# Altium PCB TwoFoot_PCB_m4T1Top2.PcbDoc (part 3 of 9) (continued)
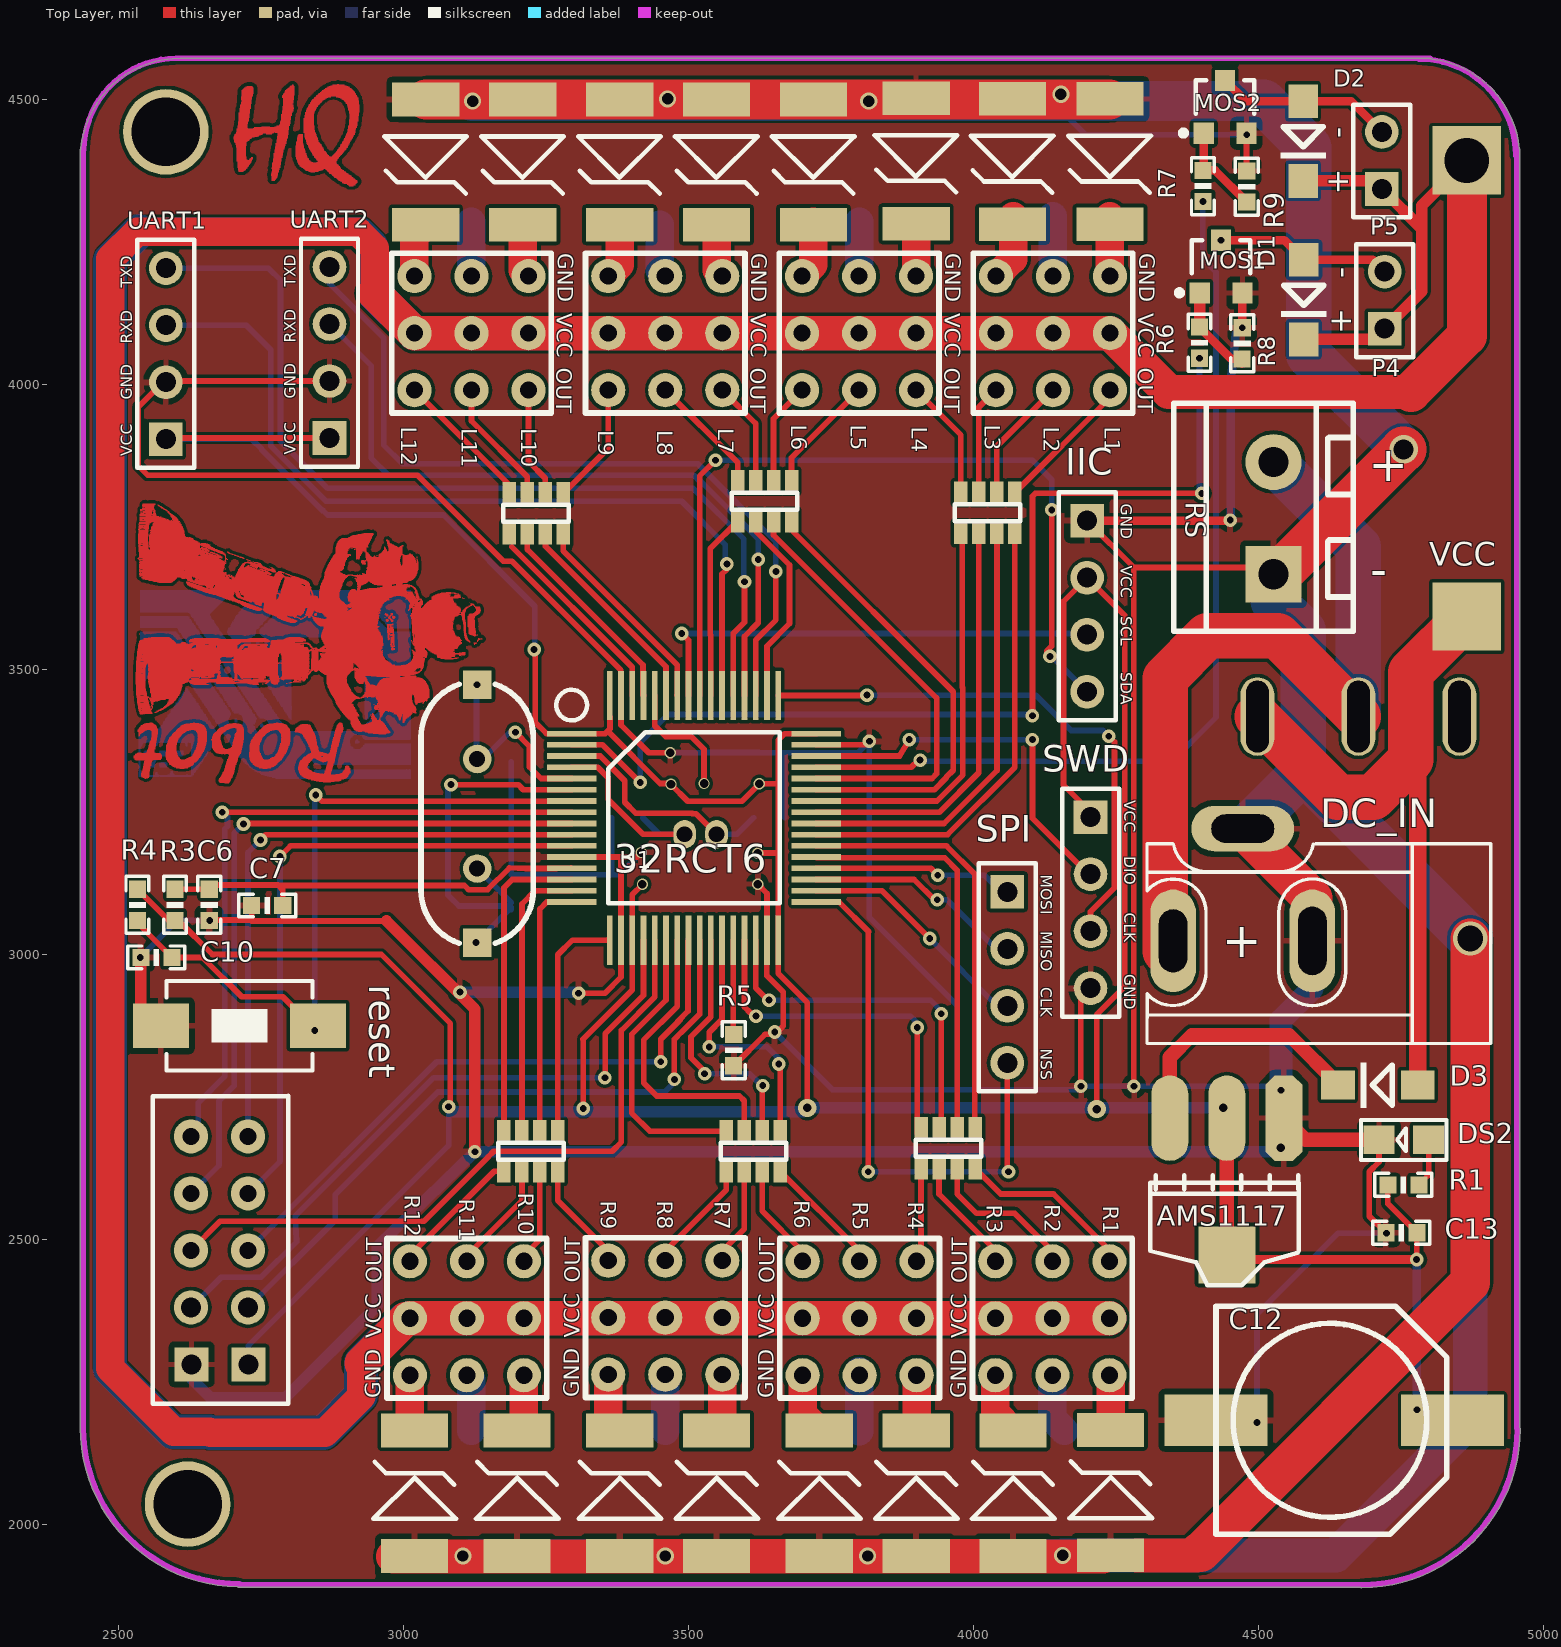
[diagram p0: Top Layer view]
## Nets (pads, with @x,y where several pads share a name; then routed paths per layer and width w, separated by ;. In a path a pad name is that pad's centre, name@x,y a point inside that pad or via, vN(x,y) a via of type N, cw(c..) or ccw(c..) an arc to the next point about the centre after c; other vN are vias at no path point) (continued)
; 2679,3515.6 2679,3516.2 ; 2679,3519.8 2679,3527 ; 2679,3527.6 2679,3554 ; 2679,3628.4 2679,3630.2 ; 2679,3630.8 2679,3693.8 ; 2679,3695.6 2679,3699.8 ; 2679,3704.6 2679,3708.2 ; 2679.6,3475.4 2679.6,3485 ; 2679.6,3486.2 2679.6,3487.4 ; 2679.6,3492.8 2679.6,3493.4 ; 2679.6,3494.6 2679.6,3495.2 ; 2679.6,3506.6 2679.6,3507.8 ; 2679.6,3512 2679.6,3513.2 ; 2679.6,3515.6 2679.6,3516.2 ; 2679.6,3516.8 2679.6,3517.4 ; 2679.6,3522.2 2679.6,3523.4 ; 2679.6,3524 2679.6,3553.4 ; 2679.6,3627.8 2679.6,3693.8 ; 2679.6,3695.6 2679.6,3699.2 ; 2679.6,3704 2679.6,3707.6 ; 2680.2,3475.4 2680.2,3483.8 ; 2680.2,3485 2680.2,3486.8 ; 2680.2,3488 2680.2,3488.6 ; 2680.2,3493.4 2680.2,3494 ; 2680.2,3497.6 2680.2,3498.2 ; 2680.2,3510.2 2680.2,3510.8 ; 2680.2,3512 2680.2,3513.2 ; 2680.2,3514.4 2680.2,3515 ; 2680.2,3515.6 2680.2,3516.2 ; 2680.2,3520.4 2680.2,3527 ; 2680.2,3527.6 2680.2,3553.4 ; 2680.2,3627.8 2680.2,3693.2 ; 2680.2,3695.6 2680.2,3699.2 ; 2680.2,3704 2680.2,3707.6 ; 2680.8,3475.4 2680.8,3483.2 ; 2680.8,3483.8 2680.8,3485 ; 2680.8,3485.6 2680.8,3486.8 ; 2680.8,3512 2680.8,3513.2 ; 2680.8,3520.4 2680.8,3553.4 ; 2680.8,3627.8 2680.8,3692.6 ; 2680.8,3695 2680.8,3698.6 ; 2680.8,3704 2680.8,3707.6 ; 2681.4,3475.4 2681.4,3483.2 ; 2681.4,3483.8 2681.4,3485 ; 2681.4,3485.6 2681.4,3486.8 ; 2681.4,3512 2681.4,3513.2 ; 2681.4,3520.4 2681.4,3553.4 ; 2681.4,3627.2 2681.4,3663.2 ; 2681.4,3663.8 2681.4,3692 ; 2681.4,3695 2681.4,3698 ; 2681.4,3703.4 2681.4,3707.6 ; 2682,3475.4 2682,3483.2 ; 2682,3483.8 2682,3485 ; 2682,3485.6 2682,3486.8 ; 2682,3512 2682,3513.2 ; 2682,3522.2 2682,3553.4 ; 2682,3627.2 2682,3663.8 ; 2682,3665.6 2682,3692 ; 2682,3695 2682,3698 ; 2682,3703.4 2682,3707 ; 2682.6,3475.4 2682.6,3485 ; 2682.6,3485.6 2682.6,3486.8 ; 2682.6,3512 2682.6,3513.2 ; 2682.6,3522.2 2682.6,3553.4 ; 2682.6,3626.6 2682.6,3665 ; 2682.6,3666.8 2682.6,3691.4 ; 2682.6,3695 2682.6,3698 ; 2682.6,3702.8 2682.6,3707 ; 2683.2,3475.4 2683.2,3485 ; 2683.2,3485.6 2683.2,3486.8 ; 2683.2,3512 2683.2,3513.2 ; 2683.2,3522.2 2683.2,3553.4 ; 2683.2,3626.6 2683.2,3662 ; 2683.2,3664.4 2683.2,3665 ; 2683.2,3666.2 2683.2,3666.8 ; 2683.2,3667.4 2683.2,3691.4 ; 2683.2,3696.2 2683.2,3698 ; 2683.2,3702.8 2683.2,3706.4 ; 2683.8,3475.4 2683.8,3483.2 ; 2683.8,3483.8 2683.8,3485 ; 2683.8,3485.6 2683.8,3486.8 ; 2683.8,3512 2683.8,3513.2 ; 2683.8,3522.2 2683.8,3553.4 ; 2683.8,3626.6 2683.8,3663.8 ; 2683.8,3665 2683.8,3665.6 ; 2683.8,3666.8 2683.8,3668.6 ; 2683.8,3670.4 2683.8,3690.8 ; 2683.8,3702.8 2683.8,3706.4 ; 2684.4,3475.4 2684.4,3483.2 ; 2684.4,3483.8 2684.4,3485 ; 2684.4,3485.6 2684.4,3486.8 ; 2684.4,3512 2684.4,3513.2 ; 2684.4,3522.2 2684.4,3553.4 ; 2684.4,3626 2684.4,3661.4 ; 2684.4,3662.6 2684.4,3664.4 ; 2684.4,3666.2 2684.4,3668.6 ; 2684.4,3669.2 2684.4,3671 ; 2684.4,3672.2 2684.4,3690.8 ; 2684.4,3702.2 2684.4,3705.8 ; 2685,3475.4 2685,3483.2 ; 2685,3483.8 2685,3485 ; 2685,3485.6 2685,3486.8 ; 2685,3512 2685,3513.2 ; 2685,3522.2 2685,3553.4 ; 2685,3626 2685,3662.6 ; 2685,3664.4 2685,3666.2 ; 2685,3666.8 2685,3668.6 ; 2685,3669.2 2685,3669.8 ; 2685,3674 2685,3690.2 ; 2685,3702.2 2685,3705.2 ; 2685.6,3475.4 2685.6,3485 ; 2685.6,3485.6 2685.6,3486.2 ; 2685.6,3512 2685.6,3513.2 ; 2685.6,3522.8 2685.6,3553.4 ; 2685.6,3626 2685.6,3661.4 ; 2685.6,3662 2685.6,3663.2 ; 2685.6,3663.8 2685.6,3664.4 ; 2685.6,3667.4 2685.6,3668 ; 2685.6,3669.2 2685.6,3669.8 ; 2685.6,3676.4 2685.6,3689.6 ; 2685.6,3702.2 2685.6,3705.2 ; 2686.2,3475.4 2686.2,3485 ; 2686.2,3485.6 2686.2,3486.2 ; 2686.2,3512 2686.2,3513.2 ; 2686.2,3522.8 2686.2,3553.4 ; 2686.2,3625.4 2686.2,3661.4 ; 2686.2,3662 2686.2,3663.2 ; 2686.2,3663.8 2686.2,3665 ; 2686.2,3666.2 2686.2,3668 ; 2686.2,3668.6 2686.2,3669.2 ; 2686.2,3678.2 2686.2,3689 ; 2686.2,3701.6 2686.2,3704.6 ; 2686.8,3475.4 2686.8,3485 ; 2686.8,3485.6 2686.8,3486.2 ; 2686.8,3512 2686.8,3513.2 ; 2686.8,3522.8 2686.8,3553.4 ; 2686.8,3625.4 2686.8,3661.4 ; 2686.8,3662 2686.8,3663.2 ; 2686.8,3663.8 2686.8,3665 ; 2686.8,3666.2 2686.8,3668 ; 2686.8,3668.6 2686.8,3669.2 ; 2686.8,3669.8 2686.8,3670.4 ; 2686.8,3675.8 2686.8,3676.4 ; 2686.8,3680.6 2686.8,3688.4 ; 2686.8,3701.6 2686.8,3704 ; 2687.4,3475.4 2687.4,3485 ; 2687.4,3485.6 2687.4,3486.2 ; 2687.4,3512 2687.4,3513.2 ; 2687.4,3522.8 2687.4,3553.4 ; 2687.4,3626 2687.4,3661.4 ; 2687.4,3662 2687.4,3662.6 ; 2687.4,3663.8 2687.4,3664.4 ; 2687.4,3665.6 2687.4,3667.4 ; 2687.4,3668.6 2687.4,3669.2 ; 2687.4,3678.2 2687.4,3678.8 ; 2687.4,3683 2687.4,3688.4 ; 2687.4,3701 2687.4,3703.4 ; 2688,3475.4 2688,3485 ; 2688,3485.6 2688,3486.2 ; 2688,3512 2688,3513.2 ; 2688,3522.8 2688,3553.4 ; 2688,3624.8 2688,3626.6 ; 2688,3627.2 2688,3662 ; 2688,3663.8 2688,3664.4 ; 2688,3665.6 2688,3668 ; 2688,3669.2 2688,3669.8 ; 2688,3670.4 2688,3671 ; 2688,3686.6 2688,3691.4 ; 2688,3699.2 2688,3702.8 ; 2688.6,3475.4 2688.6,3485 ; 2688.6,3485.6 2688.6,3486.2 ; 2688.6,3512 2688.6,3513.2 ; 2688.6,3522.8 2688.6,3553.4 ; 2688.6,3624.8 2688.6,3626.6 ; 2688.6,3627.2 2688.6,3662 ; 2688.6,3665.6 2688.6,3668 ; 2688.6,3669.2 2688.6,3669.8 ; 2688.6,3675.8 2688.6,3676.4 ; 2688.6,3685.4 2688.6,3686 ; 2688.6,3688.4 2688.6,3701.6 ; 2689.2,3475.4 2689.2,3485 ; 2689.2,3485.6 2689.2,3486.2 ; 2689.2,3512 2689.2,3513.2 ; 2689.2,3522.8 2689.2,3553.4 ; 2689.2,3624.2 2689.2,3661.4 ; 2689.2,3663.2 2689.2,3663.8 ; 2689.2,3665 2689.2,3666.8 ; 2689.2,3667.4 2689.2,3668 ; 2689.2,3669.2 2689.2,3669.8 ; 2689.2,3692.6 2689.2,3699.8 ; 2689.8,3475.4 2689.8,3485 ; 2689.8,3485.6 2689.8,3486.2 ; 2689.8,3512 2689.8,3513.2 ; 2689.8,3522.8 2689.8,3553.4 ; 2689.8,3624.2 2689.8,3661.4 ; 2689.8,3663.2 2689.8,3663.8 ; 2689.8,3665 2689.8,3666.8 ; 2689.8,3668 2689.8,3668.6 ; 2689.8,3669.8 2689.8,3670.4 ; 2689.8,3686 2689.8,3686.6 ; 2689.8,3687.8 2689.8,3688.4 ; 2689.8,3689.6 2689.8,3690.2 ; 2690.4,3475.4 2690.4,3485 ; 2690.4,3485.6 2690.4,3486.2 ; 2690.4,3512 2690.4,3513.2 ; 2690.4,3521.6 2690.4,3523.4 ; 2690.4,3524 2690.4,3553.4 ; 2690.4,3624.8 2690.4,3662 ; 2690.4,3662.6 2690.4,3663.8 ; 2690.4,3664.4 2690.4,3666.2 ; 2690.4,3693.2 2690.4,3695 ; 2691,3475.4 2691,3485 ; 2691,3485.6 2691,3486.2 ; 2691,3512 2691,3513.2 ; 2691,3521.6 2691,3553.4 ; 2691,3623.6 2691,3661.4 ; 2691,3662 2691,3663.2 ; 2691,3664.4 2691,3665 ; 2691,3665.6 2691,3666.2 ; 2691,3693.2 2691,3695 ; 2691.6,3475.4 2691.6,3485 ; 2691.6,3485.6 2691.6,3486.2 ; 2691.6,3512 2691.6,3513.2 ; 2691.6,3521.6 2691.6,3553.4 ; 2691.6,3623.6 2691.6,3626 ; 2691.6,3626.6 2691.6,3661.4 ; 2691.6,3662 2691.6,3662.6 ; 2691.6,3663.8 2691.6,3666.2 ; 2691.6,3693.2 2691.6,3693.8 ; 2692.2,3475.4 2692.2,3485 ; 2692.2,3485.6 2692.2,3486.2 ; 2692.2,3512 2692.2,3513.2 ; 2692.2,3521.6 2692.2,3553.4 ; 2692.2,3623.6 2692.2,3625.4 ; 2692.2,3626 2692.2,3661.4 ; 2692.2,3662 2692.2,3662.6 ; 2692.2,3663.8 2692.2,3665.6 ; 2692.2,3692.6 2692.2,3693.8 ; 2692.8,3475.4 2692.8,3485 ; 2692.8,3485.6 2692.8,3486.2 ; 2692.8,3512 2692.8,3513.2 ; 2692.8,3521.6 2692.8,3553.4 ; 2692.8,3623 2692.8,3625.4 ; 2692.8,3626 2692.8,3626.6 ; 2692.8,3627.2 2692.8,3661.4 ; 2692.8,3663.2 2692.8,3665.6 ; 2692.8,3692.6 2692.8,3693.2 ; 2692.8,3705.8 2692.8,3706.4 ; 2693.4,3475.4 2693.4,3485 ; 2693.4,3485.6 2693.4,3486.2 ; 2693.4,3512 2693.4,3513.2 ; 2693.4,3521.6 2693.4,3523.4 ; 2693.4,3524.6 2693.4,3553.4 ; 2693.4,3623 2693.4,3625.4 ; 2693.4,3626 2693.4,3661.4 ; 2693.4,3663.2 2693.4,3665.6 ; 2693.4,3705.2 2693.4,3706.4 ; 2694,3475.4 2694,3485 ; 2694,3485.6 2694,3486.2 ; 2694,3512 2694,3513.2 ; 2694,3521.6 2694,3553.4 ; 2694,3623.6 2694,3624.8 ; 2694,3625.4 2694,3661.4 ; 2694,3663.2 2694,3665 ; 2694,3704.6 2694,3705.8 ; 2694.6,3475.4 2694.6,3485 ; 2694.6,3485.6 2694.6,3486.2 ; 2694.6,3512 2694.6,3513.2 ; 2694.6,3521.6 2694.6,3553.4 ; 2694.6,3622.4 2694.6,3626.6 ; 2694.6,3627.2 2694.6,3661.4 ; 2694.6,3663.2 2694.6,3665 ; 2694.6,3665.6 2694.6,3666.2 ; 2694.6,3704 2694.6,3705.2 ; 2695.2,3475.4 2695.2,3484.4 ; 2695.2,3486.2 2695.2,3486.8 ; 2695.2,3512 2695.2,3513.2 ; 2695.2,3521.6 2695.2,3553.4 ; 2695.2,3622.4 2695.2,3659 ; 2695.2,3661.4 2695.2,3662 ; 2695.2,3663.2 2695.2,3664.4 ; 2695.2,3665.6 2695.2,3666.2 ; 2695.2,3704 2695.2,3705.2 ; 2695.8,3475.4 2695.8,3484.4 ; 2695.8,3486.2 2695.8,3486.8 ; 2695.8,3512 2695.8,3513.2 ; 2695.8,3521.6 2695.8,3553.4 ; 2695.8,3622.4 2695.8,3659 ; 2695.8,3661.4 2695.8,3662 ; 2695.8,3662.6 2695.8,3664.4 ; 2695.8,3665.6 2695.8,3666.2 ; 2695.8,3703.4 2695.8,3704.6 ; 2696.4,3475.4 2696.4,3484.4 ; 2696.4,3486.2 2696.4,3486.8 ; 2696.4,3512 2696.4,3513.2 ; 2696.4,3521.6 2696.4,3553.4 ; 2696.4,3621.8 2696.4,3659 ; 2696.4,3662.6 2696.4,3665 ; 2696.4,3665.6 2696.4,3666.2 ; 2696.4,3703.4 2696.4,3704 ; 2697,3475.4 2697,3484.4 ; 2697,3486.2 2697,3486.8 ; 2697,3512 2697,3513.2 ; 2697,3521.6 2697,3553.4 ; 2697,3621.8 2697,3658.4 ; 2697,3662.6 2697,3663.8 ; 2697,3665.6 2697,3666.2 ; 2697,3702.8 2697,3704 ; 2697.6,3475.4 2697.6,3484.4 ; 2697.6,3486.2 2697.6,3486.8 ; 2697.6,3512 2697.6,3513.2 ; 2697.6,3521.6 2697.6,3553.4 ; 2697.6,3621.8 2697.6,3658.4 ; 2697.6,3662 2697.6,3663.8 ; 2697.6,3702.8 2697.6,3703.4 ; 2698.2,3475.4 2698.2,3484.4 ; 2698.2,3486.2 2698.2,3486.8 ; 2698.2,3512 2698.2,3513.2 ; 2698.2,3521.6 2698.2,3553.4 ; 2698.2,3621.2 2698.2,3658.4 ; 2698.2,3662 2698.2,3663.8 ; 2698.2,3702.8 2698.2,3703.4 ; 2698.8,3475.4 2698.8,3484.4 ; 2698.8,3486.2 2698.8,3486.8 ; 2698.8,3512 2698.8,3513.2 ; 2698.8,3521.6 2698.8,3553.4 ; 2698.8,3621.2 2698.8,3657.8 ; 2698.8,3662 2698.8,3663.2 ; 2698.8,3702.2 2698.8,3702.8 ; 2699.4,3475.4 2699.4,3484.4 ; 2699.4,3486.2 2699.4,3486.8 ; 2699.4,3512 2699.4,3513.2 ; 2699.4,3521.6 2699.4,3553.4 ; 2699.4,3621.8 2699.4,3657.8 ; 2699.4,3662 2699.4,3663.2 ; 2699.4,3664.4 2699.4,3665 ; 2699.4,3702.2 2699.4,3702.8 ; 2700,3475.4 2700,3481.4 ; 2700,3482.6 2700,3483.8 ; 2700,3512 2700,3513.2 ; 2700,3524 2700,3553.4 ; 2700,3620.6 2700,3628.4 ; 2700,3629 2700,3651.8 ; 2700,3653 2700,3653.6 ; 2700,3654.2 2700,3657.8 ; 2700,3658.4 2700,3659 ; 2700,3660.2 2700,3660.8 ; 2700,3661.4 2700,3663.2 ; 2700,3665 2700,3665.6 ; 2700,3702.2 2700,3702.8 ; 2700.6,3475.4 2700.6,3481.4 ; 2700.6,3482.6 2700.6,3483.8 ; 2700.6,3512 2700.6,3513.2 ; 2700.6,3516.2 2700.6,3516.8 ; 2700.6,3524.6 2700.6,3553.4 ; 2700.6,3620.6 2700.6,3623 ; 2700.6,3623.6 2700.6,3624.2 ; 2700.6,3624.8 2700.6,3626.6 ; 2700.6,3627.2 2700.6,3654.8 ; 2700.6,3656 2700.6,3659 ; 2700.6,3660.2 2700.6,3660.8 ; 2700.6,3661.4 2700.6,3663.2 ; 2701.2,3475.4 2701.2,3478.4 ; 2701.2,3479 2701.2,3483.8 ; 2701.2,3512 2701.2,3513.8 ; 2701.2,3517.4 2701.2,3518 ; 2701.2,3522.2 2701.2,3553.4 ; 2701.2,3620 2701.2,3627.8 ; 2701.2,3628.4 2701.2,3640.4 ; 2701.2,3641.6 2701.2,3645.2 ; 2701.2,3645.8 2701.2,3651.8 ; 2701.2,3653 2701.2,3654.8 ; 2701.2,3657.8 2701.2,3658.4 ; 2701.2,3659.6 2701.2,3660.2 ; 2701.2,3660.8 2701.2,3662.6 ; 2701.2,3701.6 2701.2,3702.2 ; 2701.8,3475.4 2701.8,3478.4 ; 2701.8,3479 2701.8,3483.2 ; 2701.8,3512 2701.8,3513.2 ; 2701.8,3514.4 2701.8,3515 ; 2701.8,3527 2701.8,3553.4 ; 2701.8,3620 2701.8,3651.2 ; 2701.8,3651.8 2701.8,3657.2 ; 2701.8,3657.8 2701.8,3658.4 ; 2701.8,3660.8 2701.8,3662 ; 2701.8,3663.2 2701.8,3663.8 ; 2701.8,3701.6 2701.8,3702.2 ; 2702.4,3475.4 2702.4,3478.4 ; 2702.4,3480.2 2702.4,3482.6 ; 2702.4,3512 2702.4,3513.2 ; 2702.4,3522.2 2702.4,3522.8 ; 2702.4,3524 2702.4,3553.4 ; 2702.4,3620 2702.4,3623 ; 2702.4,3623.6 2702.4,3626.6 ; 2702.4,3627.2 2702.4,3653 ; 2702.4,3653.6 2702.4,3656 ; 2702.4,3656.6 2702.4,3657.2 ; 2702.4,3657.8 2702.4,3659.6 ; 2702.4,3660.8 2702.4,3662 ; 2702.4,3701 2702.4,3701.6 ; 2703,3475.4 2703,3479 ; 2703,3480.8 2703,3482.6 ; 2703,3510.2 2703,3513.8 ; 2703,3514.4 2703,3515.6 ; 2703,3517.4 2703,3518 ; 2703,3522.2 2703,3522.8 ; 2703,3525.2 2703,3527 ; 2703,3527.6 2703,3553.4 ; 2703,3619.4 2703,3627.8 ; 2703,3631.4 2703,3653 ; 2703,3656.6 2703,3657.2 ; 2703,3657.8 2703,3659.6 ; 2703,3660.2 2703,3662 ; 2703,3701 2703,3701.6 ; 2703.6,3475.4 2703.6,3479 ; 2703.6,3480.8 2703.6,3482.6 ; 2703.6,3501.2 2703.6,3553.4 ; 2703.6,3619.4 2703.6,3623.6 ; 2703.6,3624.2 2703.6,3625.4 ; 2703.6,3626 2703.6,3626.6 ; 2703.6,3632.6 2703.6,3651.8 ; 2703.6,3652.4 2703.6,3656 ; 2703.6,3657.2 2703.6,3657.8 ; 2703.6,3659.6 2703.6,3661.4 ; 2703.6,3701 2703.6,3701.6 ; 2704.2,3475.4 2704.2,3479 ; 2704.2,3480.8 2704.2,3482.6 ; 2704.2,3497 2704.2,3551 ; 2704.2,3551.6 2704.2,3553.4 ; 2704.2,3620 2704.2,3620.6 ; 2704.2,3621.2 2704.2,3626 ; 2704.2,3634.4 2704.2,3656.6 ; 2704.2,3657.2 2704.2,3657.8 ; 2704.2,3659.6 2704.2,3661.4 ; 2704.2,3662 2704.2,3662.6 ; 2704.8,3475.4 2704.8,3478.4 ; 2704.8,3480.2 2704.8,3483.8 ; 2704.8,3486.2 2704.8,3487.4 ; 2704.8,3494.6 2704.8,3528.8 ; 2704.8,3529.4 2704.8,3553.4 ; 2704.8,3619.4 2704.8,3620.6 ; 2704.8,3621.2 2704.8,3625.4 ; 2704.8,3636.2 2704.8,3640.4 ; 2704.8,3641 2704.8,3643.4 ; 2704.8,3644.6 2704.8,3658.4 ; 2704.8,3659.6 2704.8,3660.8 ; 2704.8,3700.4 2704.8,3701 ; 2705.4,3475.4 2705.4,3477.8 ; 2705.4,3480.2 2705.4,3480.8 ; 2705.4,3482 2705.4,3483.2 ; 2705.4,3491.6 2705.4,3553.4 ; 2705.4,3618.8 2705.4,3624.8 ; 2705.4,3636.8 2705.4,3644 ; 2705.4,3646.4 2705.4,3647 ; 2705.4,3647.6 2705.4,3660.2 ; 2705.4,3699.8 2705.4,3701 ; 2706,3475.4 2706,3477.8 ; 2706,3482 2706,3483.2 ; 2706,3483.8 2706,3484.4 ; 2706,3485.6 2706,3486.2 ; 2706,3489.2 2706,3490.4 ; 2706,3491 2706,3553.4 ; 2706,3618.8 2706,3620 ; 2706,3620.6 2706,3621.2 ; 2706,3621.8 2706,3623 ; 2706,3623.6 2706,3624.8 ; 2706,3636.8 2706,3644 ; 2706,3644.6 2706,3645.2 ; 2706,3648.2 2706,3660.8 ; 2706,3699.8 2706,3700.4 ; 2706.6,3475.4 2706.6,3477.8 ; 2706.6,3480.8 2706.6,3483.2 ; 2706.6,3483.8 2706.6,3484.4 ; 2706.6,3486.8 2706.6,3553.4 ; 2706.6,3618.8 2706.6,3621.2 ; 2706.6,3621.8 2706.6,3624.2 ; 2706.6,3635 2706.6,3636.8 ; 2706.6,3637.4 2706.6,3647 ; 2706.6,3649.4 2706.6,3660.8 ; 2706.6,3661.4 2706.6,3662.6 ; 2706.6,3699.8 2706.6,3700.4 ; 2707.2,3476 2707.2,3477.8 ; 2707.2,3480.2 2707.2,3482 ; 2707.2,3485 2707.2,3522.8 ; 2707.2,3524 2707.2,3528.8 ; 2707.2,3529.4 2707.2,3553.4 ; 2707.2,3618.2 2707.2,3620.6 ; 2707.2,3621.2 2707.2,3623.6 ; 2707.2,3633.2 2707.2,3635.6 ; 2707.2,3636.2 2707.2,3638.6 ; 2707.2,3639.2 2707.2,3647 ; 2707.2,3647.6 2707.2,3648.2 ; 2707.2,3651.2 2707.2,3652.4 ; 2707.2,3653 2707.2,3663.8 ; 2707.2,3699.8 2707.2,3700.4 ; 2707.8,3476 2707.8,3477.8 ; 2707.8,3480.2 2707.8,3481.4 ; 2707.8,3483.2 2707.8,3497 ; 2707.8,3529.4 2707.8,3540.8 ; 2707.8,3541.4 2707.8,3553.4 ; 2707.8,3618.2 2707.8,3618.8 ; 2707.8,3619.4 2707.8,3623 ; 2707.8,3631.4 2707.8,3644 ; 2707.8,3644.6 2707.8,3650 ; 2707.8,3653 2707.8,3665.6 ; 2707.8,3699.2 2707.8,3699.8 ; 2708.4,3476 2708.4,3477.8 ; 2708.4,3480.2 2708.4,3481.4 ; 2708.4,3482.6 2708.4,3496.4 ; 2708.4,3497.6 2708.4,3530 ; 2708.4,3533.6 2708.4,3553.4 ; 2708.4,3617.6 2708.4,3621.2 ; 2708.4,3621.8 2708.4,3623 ; 2708.4,3629.6 2708.4,3633.2 ; 2708.4,3633.8 2708.4,3635.6 ; 2708.4,3636.2 2708.4,3651.8 ; 2708.4,3654.8 2708.4,3667.4 ; 2708.4,3699.2 2708.4,3699.8 ; 2709,3476 2709,3477.8 ; 2709,3480.2 2709,3481.4 ; 2709,3482 2709,3543.2 ; 2709,3543.8 2709,3553.4 ; 2709,3617.6 2709,3623 ; 2709,3627.8 2709,3633.8 ; 2709,3634.4 2709,3653.6 ; 2709,3656.6 2709,3668.6 ; 2709,3699.2 2709,3699.8 ; 2709.6,3476 2709.6,3477.8 ; 2709.6,3479.6 2709.6,3480.8 ; 2709.6,3481.4 2709.6,3492.2 ; 2709.6,3492.8 2709.6,3553.4 ; 2709.6,3617.6 2709.6,3618.8 ; 2709.6,3619.4 2709.6,3622.4 ; 2709.6,3627.2 2709.6,3653.6 ; 2709.6,3654.2 2709.6,3655.4 ; 2709.6,3657.8 2709.6,3669.2 ; 2709.6,3698.6 2709.6,3699.2 ; 2710.2,3476 2710.2,3477.8 ; 2710.2,3480.8 2710.2,3483.2 ; 2710.2,3492.8 2710.2,3536.6 ; 2710.2,3543.2 2710.2,3553.4 ; 2710.2,3617 2710.2,3622.4 ; 2710.2,3626.6 2710.2,3641 ; 2710.2,3641.6 2710.2,3656.6 ; 2710.2,3659.6 2710.2,3671 ; 2710.2,3698.6 2710.2,3699.2 ; 2710.8,3476 2710.8,3477.8 ; 2710.8,3480.8 2710.8,3482.6 ; 2710.8,3492.8 2710.8,3536.6 ; 2710.8,3543.8 2710.8,3544.4 ; 2710.8,3545 2710.8,3553.4 ; 2710.8,3617 2710.8,3621.8 ; 2710.8,3626.6 2710.8,3640.4 ; 2710.8,3641 2710.8,3642.2 ; 2710.8,3642.8 2710.8,3644 ; 2710.8,3645.2 2710.8,3658.4 ; 2710.8,3661.4 2710.8,3670.4 ; 2710.8,3671 2710.8,3672.2 ; 2710.8,3698 2710.8,3699.2 ; 2711.4,3476 2711.4,3477.8 ; 2711.4,3480.2 2711.4,3482 ; 2711.4,3491.6 2711.4,3536.6 ; 2711.4,3544.4 2711.4,3545 ; 2711.4,3545.6 2711.4,3553.4 ; 2711.4,3617 2711.4,3618.8 ; 2711.4,3619.4 2711.4,3621.8 ; 2711.4,3626 2711.4,3659 ; 2711.4,3659.6 2711.4,3660.2 ; 2711.4,3663.2 2711.4,3673.4 ; 2711.4,3698 2711.4,3698.6 ; 2712,3476 2712,3477.8 ; 2712,3479.6 2712,3482.6 ; 2712,3491 2712,3536.6 ; 2712,3545 2712,3545.6 ; 2712,3546.2 2712,3553.4 ; 2712,3616.4 2712,3619.4 ; 2712,3620 2712,3621.8 ; 2712,3626 2712,3641 ; 2712,3641.6 2712,3644 ; 2712,3645.2 2712,3661.4 ; 2712,3664.4 2712,3665.6 ; 2712,3666.2 2712,3674 ; 2712,3675.2 2712,3675.8 ; 2712,3698 2712,3698.6 ; 2712.6,3476 2712.6,3477.8 ; 2712.6,3479.6 2712.6,3482 ; 2712.6,3490.4 2712.6,3528.8 ; 2712.6,3529.4 2712.6,3536.6 ; 2712.6,3545.6 2712.6,3553.4 ; 2712.6,3616.4 2712.6,3620 ; 2712.6,3620.6 2712.6,3621.2 ; 2712.6,3625.4 2712.6,3636.8 ; 2712.6,3638 2712.6,3645.2 ; 2712.6,3645.8 2712.6,3647 ; 2712.6,3647.6 2712.6,3663.2 ; 2712.6,3666.2 2712.6,3675.2 ; 2712.6,3697.4 2712.6,3698 ; 2713.2,3476 2713.2,3477.8 ; 2713.2,3479 2713.2,3482 ; 2713.2,3489.2 2713.2,3537.2 ; 2713.2,3545.6 2713.2,3553.4 ; 2713.2,3616.4 2713.2,3618.8 ; 2713.2,3619.4 2713.2,3621.2 ; 2713.2,3625.4 2713.2,3635 ; 2713.2,3638 2713.2,3659 ; 2713.2,3659.6 2713.2,3665 ; 2713.2,3668 2713.2,3676.4 ; 2713.2,3697.4 2713.2,3698 ; 2713.8,3476 2713.8,3477.8 ; 2713.8,3479 2713.8,3482 ; 2713.8,3488.6 2713.8,3537.8 ; 2713.8,3546.2 2713.8,3553.4 ; 2713.8,3615.8 2713.8,3618.8 ; 2713.8,3619.4 2713.8,3621.2 ; 2713.8,3625.4 2713.8,3633.2 ; 2713.8,3638 2713.8,3644.6 ; 2713.8,3645.2 2713.8,3653.6 ; 2713.8,3654.2 2713.8,3665.6 ; 2713.8,3666.2 2713.8,3666.8 ; 2713.8,3669.8 2713.8,3677.6 ; 2713.8,3696.8 2713.8,3698 ; 2714.4,3476 2714.4,3477.2 ; 2714.4,3478.4 2714.4,3482 ; 2714.4,3488 2714.4,3539 ; 2714.4,3546.2 2714.4,3549.8 ; 2714.4,3551 2714.4,3553.4 ; 2714.4,3615.8 2714.4,3620.6 ; 2714.4,3624.8 2714.4,3631.4 ; 2714.4,3638 2714.4,3650 ; 2714.4,3650.6 2714.4,3652.4 ; 2714.4,3653 2714.4,3668 ; 2714.4,3671 2714.4,3678.2 ; 2714.4,3696.8 2714.4,3698 ; 2715,3476 2715,3477.2 ; 2715,3478.4 2715,3482 ; 2715,3486.8 2715,3539.6 ; 2715,3546.8 2715,3547.4 ; 2715,3548 2715,3553.4 ; 2715,3615.2 2715,3620.6 ; 2715,3624.8 2715,3629.6 ; 2715,3638 2715,3653.6 ; 2715,3654.2 2715,3655.4 ; 2715,3656 2715,3656.6 ; 2715,3657.2 2715,3669.8 ; 2715,3672.8 2715,3678.8 ; 2715,3696.2 2715,3698 ; 2715.6,3476 2715.6,3477.2 ; 2715.6,3478.4 2715.6,3482 ; 2715.6,3486.2 2715.6,3540.8 ; 2715.6,3546.8 2715.6,3547.4 ; 2715.6,3548 2715.6,3549.2 ; 2715.6,3549.8 2715.6,3553.4 ; 2715.6,3615.2 2715.6,3620.6 ; 2715.6,3624.8 2715.6,3627.8 ; 2715.6,3634.4 2715.6,3657.8 ; 2715.6,3658.4 2715.6,3672.2 ; 2715.6,3674 2715.6,3680 ; 2715.6,3696.2 2715.6,3697.4 ; 2716.2,3476 2716.2,3477.2 ; 2716.2,3477.8 2716.2,3478.4 ; 2716.2,3479 2716.2,3482 ; 2716.2,3485.6 2716.2,3541.4 ; 2716.2,3547.4 2716.2,3553.4 ; 2716.2,3614.6 2716.2,3616.4 ; 2716.2,3617 2716.2,3620 ; 2716.2,3624.2 2716.2,3627.2 ; 2716.2,3632 2716.2,3651.2 ; 2716.2,3651.8 2716.2,3652.4 ; 2716.2,3653 2716.2,3654.2 ; 2716.2,3654.8 2716.2,3656 ; 2716.2,3656.6 2716.2,3659 ; 2716.2,3659.6 2716.2,3681.2 ; 2716.2,3696.2 2716.2,3697.4 ; 2716.8,3476 2716.8,3477.2 ; 2716.8,3477.8 2716.8,3482 ; 2716.8,3485 2716.8,3497 ; 2716.8,3498.2 2716.8,3533.6 ; 2716.8,3534.2 2716.8,3542 ; 2716.8,3547.4 2716.8,3553.4 ; 2716.8,3614 2716.8,3620 ; 2716.8,3624.2 2716.8,3627.2 ; 2716.8,3631.4 2716.8,3653.6 ; 2716.8,3654.2 2716.8,3655.4 ; 2716.8,3656 2716.8,3660.2 ; 2716.8,3661.4 2716.8,3681.8 ; 2716.8,3695.6 2716.8,3696.8 ; 2717.4,3476 2717.4,3477.2 ; 2717.4,3477.8 2717.4,3482 ; 2717.4,3484.4 2717.4,3496.4 ; 2717.4,3498.8 2717.4,3533.6 ; 2717.4,3534.8 2717.4,3542.6 ; 2717.4,3547.4 2717.4,3549.8 ; 2717.4,3550.4 2717.4,3553.4 ; 2717.4,3613.4 2717.4,3620 ; 2717.4,3624.2 2717.4,3627.2 ; 2717.4,3631.4 2717.4,3654.2 ; 2717.4,3654.8 2717.4,3675.2 ; 2717.4,3675.8 2717.4,3683 ; 2717.4,3695.6 2717.4,3696.8 ; 2718,3476 2718,3477.2 ; 2718,3477.8 2718,3482 ; 2718,3483.8 2718,3495.8 ; 2718,3498.8 2718,3533 ; 2718,3536 2718,3543.2 ; 2718,3547.4 2718,3549.8 ; 2718,3550.4 2718,3553.4 ; 2718,3613.4 2718,3619.4 ; 2718,3623.6 2718,3626.6 ; 2718,3630.8 2718,3656 ; 2718,3656.6 2718,3657.2 ; 2718,3657.8 2718,3659 ; 2718,3659.6 2718,3663.2 ; 2718,3663.8 2718,3683.6 ; 2718,3695.6 2718,3696.8 ; 2718.6,3476 2718.6,3477.2 ; 2718.6,3477.8 2718.6,3482 ; 2718.6,3483.8 2718.6,3494 ; 2718.6,3495.2 2718.6,3497 ; 2718.6,3498.8 2718.6,3533.6 ; 2718.6,3536.6 2718.6,3543.2 ; 2718.6,3548 2718.6,3553.4 ; 2718.6,3612.8 2718.6,3616.4 ; 2718.6,3617 2718.6,3619.4 ; 2718.6,3623.6 2718.6,3626 ; 2718.6,3630.8 2718.6,3666.2 ; 2718.6,3666.8 2718.6,3684.8 ; 2718.6,3695 2718.6,3696.8 ; 2719.2,3476 2719.2,3477.2 ; 2719.2,3477.8 2719.2,3482 ; 2719.2,3483.8 2719.2,3485 ; 2719.2,3485.6 2719.2,3497.6 ; 2719.2,3498.2 2719.2,3533 ; 2719.2,3537.2 2719.2,3543.8 ; 2719.2,3548 2719.2,3553.4 ; 2719.2,3612.8 2719.2,3618.8 ; 2719.2,3623.6 2719.2,3626.6 ; 2719.2,3630.8 2719.2,3663.2 ; 2719.2,3663.8 2719.2,3666.8 ; 2719.2,3667.4 2719.2,3668.6 ; 2719.2,3669.2 2719.2,3684.8 ; 2719.2,3695 2719.2,3696.2 ; 2719.8,3476 2719.8,3477.2 ; 2719.8,3477.8 2719.8,3482 ; 2719.8,3485.6 2719.8,3533 ; 2719.8,3538.4 2719.8,3543.8 ; 2719.8,3548 2719.8,3552.8 ; 2719.8,3612.2 2719.8,3615.8 ; 2719.8,3616.4 2719.8,3618.8 ; 2719.8,3623 2719.8,3626 ; 2719.8,3630.2 2719.8,3669.8 ; 2719.8,3670.4 2719.8,3675.2 ; 2719.8,3675.8 2719.8,3677 ; 2719.8,3677.6 2719.8,3686 ; 2719.8,3695 2719.8,3695.6 ; 2720.4,3476 2720.4,3477.2 ; 2720.4,3477.8 2720.4,3483.2 ; 2720.4,3485.6 2720.4,3533.6 ; 2720.4,3539 2720.4,3544.4 ; 2720.4,3548 2720.4,3552.8 ; 2720.4,3612.2 2720.4,3618.8 ; 2720.4,3623 2720.4,3626 ; 2720.4,3630.2 2720.4,3677.6 ; 2720.4,3678.8 2720.4,3686.6 ; 2720.4,3695 2720.4,3695.6 ; 2721,3476 2721,3477.2 ; 2721,3477.8 2721,3483.8 ; 2721,3485.6 2721,3534.8 ; 2721,3539.6 2721,3544.4 ; 2721,3548 2721,3552.8 ; 2721,3611.6 2721,3615.2 ; 2721,3615.8 2721,3618.2 ; 2721,3622.4 2721,3626 ; 2721,3630.2 2721,3668.6 ; 2721,3669.2 2721,3672.8 ; 2721,3673.4 2721,3676.4 ; 2721,3677 2721,3677.6 ; 2721,3680.6 2721,3686.6 ; 2721,3694.4 2721,3695 ; 2721.6,3476 2721.6,3477.2 ; 2721.6,3477.8 2721.6,3483.8 ; 2721.6,3485.6 2721.6,3536 ; 2721.6,3540.2 2721.6,3544.4 ; 2721.6,3548 2721.6,3552.8 ; 2721.6,3611.6 2721.6,3616.4 ; 2721.6,3617 2721.6,3618.2 ; 2721.6,3622.4 2721.6,3627.2 ; 2721.6,3629.6 2721.6,3678.2 ; 2721.6,3682.4 2721.6,3686.6 ; 2721.6,3694.4 2721.6,3695 ; 2722.2,3476 2722.2,3477.2 ; 2722.2,3477.8 2722.2,3483.8 ; 2722.2,3485.6 2722.2,3536.6 ; 2722.2,3541.4 2722.2,3545 ; 2722.2,3548 2722.2,3552.8 ; 2722.2,3611 2722.2,3615.8 ; 2722.2,3616.4 2722.2,3618.2 ; 2722.2,3622.4 2722.2,3629 ; 2722.2,3629.6 2722.2,3672.2 ; 2722.2,3672.8 2722.2,3675.8 ; 2722.2,3676.4 2722.2,3678.2 ; 2722.2,3683.6 2722.2,3687.2 ; 2722.8,3476 2722.8,3477.2 ; 2722.8,3477.8 2722.8,3483.8 ; 2722.8,3485.6 2722.8,3537.2 ; 2722.8,3541.4 2722.8,3545 ; 2722.8,3548 2722.8,3552.8 ; 2722.8,3611 2722.8,3617.6 ; 2722.8,3621.8 2722.8,3669.2 ; 2722.8,3669.8 2722.8,3677 ; 2722.8,3677.6 2722.8,3678.8 ; 2722.8,3685.4 2722.8,3687.8 ; 2723.4,3476 2723.4,3477.2 ; 2723.4,3477.8 2723.4,3483.8 ; 2723.4,3485.6 2723.4,3537.2 ; 2723.4,3541.4 2723.4,3545 ; 2723.4,3548 2723.4,3552.8 ; 2723.4,3610.4 2723.4,3617.6 ; 2723.4,3621.8 2723.4,3679.4 ; 2723.4,3686 2723.4,3687.8 ; 2724,3476 2724,3477.2 ; 2724,3477.8 2724,3483.8 ; 2724,3485.6 2724,3537.2 ; 2724,3541.4 2724,3545 ; 2724,3548 2724,3552.8 ; 2724,3611 2724,3612.2 ; 2724,3612.8 2724,3617.6 ; 2724,3621.2 2724,3679.4 ; 2724,3686.6 2724,3687.2 ; 2724.6,3476 2724.6,3477.2 ; 2724.6,3477.8 2724.6,3483.8 ; 2724.6,3485.6 2724.6,3537.2 ; 2724.6,3541.4 2724.6,3545 ; 2724.6,3548 2724.6,3552.8 ; 2724.6,3610.4 2724.6,3617 ; 2724.6,3621.2 2724.6,3667.4 ; 2724.6,3668 2724.6,3680 ; 2724.6,3686.6 2724.6,3687.8 ; 2724.6,3693.2 2724.6,3693.8 ; 2725.2,3476 2725.2,3477.2 ; 2725.2,3477.8 2725.2,3483.8 ; 2725.2,3485.6 2725.2,3537.2 ; 2725.2,3541.4 2725.2,3545 ; 2725.2,3548 2725.2,3552.8 ; 2725.2,3609.8 2725.2,3612.8 ; 2725.2,3613.4 2725.2,3617 ; 2725.2,3621.2 2725.2,3671 ; 2725.2,3672.2 2725.2,3678.8 ; 2725.2,3679.4 2725.2,3680 ; 2725.2,3686.6 2725.2,3688.4 ; 2725.2,3693.2 2725.2,3693.8 ; 2725.8,3476 2725.8,3477.2 ; 2725.8,3477.8 2725.8,3483.8 ; 2725.8,3485.6 2725.8,3537.2 ; 2725.8,3541.4 2725.8,3545 ; 2725.8,3548 2725.8,3552.8 ; 2725.8,3609.8 2725.8,3616.4 ; 2725.8,3620.6 2725.8,3670.4 ; 2725.8,3672.8 2725.8,3680.6 ; 2725.8,3687.2 2725.8,3688.4 ; 2726.4,3476 2726.4,3477.2 ; 2726.4,3477.8 2726.4,3483.8 ; 2726.4,3485.6 2726.4,3537.2 ; 2726.4,3541.4 2726.4,3545 ; 2726.4,3548 2726.4,3553.4 ; 2726.4,3609.2 2726.4,3616.4 ; 2726.4,3620.6 2726.4,3671.6 ; 2726.4,3672.8 2726.4,3681.2 ; 2726.4,3687.2 2726.4,3688.4 ; 2726.4,3692.6 2726.4,3693.2 ; 2727,3476 2727,3477.2 ; 2727,3477.8 2727,3483.8 ; 2727,3485.6 2727,3537.2 ; 2727,3541.4 2727,3545 ; 2727,3548 2727,3553.4 ; 2727,3609.2 2727,3616.4 ; 2727,3620.6 2727,3672.2 ; 2727,3673.4 2727,3681.2 ; 2727,3687.8 2727,3688.4 ; 2727.6,3476 2727.6,3477.2 ; 2727.6,3477.8 2727.6,3483.8 ; 2727.6,3485.6 2727.6,3537.2 ; 2727.6,3541.4 2727.6,3545 ; 2727.6,3548 2727.6,3553.4 ; 2727.6,3608.6 2727.6,3616.4 ; 2727.6,3620 2727.6,3672.8 ; 2727.6,3674 2727.6,3681.8 ; 2727.6,3687.2 2727.6,3687.8 ; 2727.6,3688.4 2727.6,3689 ; 2727.6,3692 2727.6,3692.6 ; 2728.2,3475.4 2728.2,3477.2 ; 2728.2,3477.8 2728.2,3483.8 ; 2728.2,3485.6 2728.2,3537.2 ; 2728.2,3541.4 2728.2,3545 ; 2728.2,3548 2728.2,3553.4 ; 2728.2,3608.6 2728.2,3611 ; 2728.2,3611.6 2728.2,3615.8 ; 2728.2,3620 2728.2,3673.4 ; 2728.2,3674 2728.2,3679.4 ; 2728.2,3680 2728.2,3682.4 ; 2728.2,3687.2 2728.2,3689 ; 2728.2,3692 2728.2,3692.6 ; 2728.8,3475.4 2728.8,3483.8 ; 2728.8,3485.6 2728.8,3537.8 ; 2728.8,3540.8 2728.8,3545 ; 2728.8,3548 2728.8,3554 ; 2728.8,3608 2728.8,3615.8 ; 2728.8,3620 2728.8,3673.4 ; 2728.8,3674.6 2728.8,3682.4 ; 2728.8,3686.6 2728.8,3689 ; 2728.8,3691.4 2728.8,3692 ; 2729.4,3475.4 2729.4,3483.8 ; 2729.4,3485.6 2729.4,3545 ; 2729.4,3548 2729.4,3554 ; 2729.4,3608 2729.4,3615.2 ; 2729.4,3619.4 2729.4,3674 ; 2729.4,3675.2 2729.4,3683 ; 2729.4,3686.6 2729.4,3689 ; 2729.4,3691.4 2729.4,3692 ; 2730,3474.8 2730,3483.8 ; 2730,3485.6 2730,3545 ; 2730,3548 2730,3554 ; 2730,3608 2730,3615.2 ; 2730,3619.4 2730,3674.6 ; 2730,3675.2 2730,3683 ; 2730,3686 2730,3688.4 ; 2730.6,3474.8 2730.6,3483.8 ; 2730.6,3485.6 2730.6,3545 ; 2730.6,3548 2730.6,3554 ; 2730.6,3608 2730.6,3615.2 ; 2730.6,3619.4 2730.6,3675.2 ; 2730.6,3675.8 2730.6,3683 ; 2730.6,3686 2730.6,3687.8 ; 2730.6,3690.8 2730.6,3691.4 ; 2731.2,3474.8 2731.2,3483.8 ; 2731.2,3485.6 2731.2,3545 ; 2731.2,3548 2731.2,3554 ; 2731.2,3607.4 2731.2,3614.6 ; 2731.2,3618.8 2731.2,3680.6 ; 2731.2,3686 2731.2,3688.4 ; 2731.2,3690.8 2731.2,3691.4 ; 2731.8,3474.2 2731.8,3483.8 ; 2731.8,3485.6 2731.8,3545 ; 2731.8,3548 2731.8,3554.6 ; 2731.8,3607.4 2731.8,3612.2 ; 2731.8,3612.8 2731.8,3614.6 ; 2731.8,3618.8 2731.8,3680 ; 2731.8,3685.4 2731.8,3688.4 ; 2732.4,3474.2 2732.4,3482 ; 2732.4,3482.6 2732.4,3483.8 ; 2732.4,3485.6 2732.4,3545 ; 2732.4,3548 2732.4,3554.6 ; 2732.4,3606.8 2732.4,3612.2 ; 2732.4,3612.8 2732.4,3614.6 ; 2732.4,3618.8 2732.4,3680 ; 2732.4,3685.4 2732.4,3688.4 ; 2732.4,3690.2 2732.4,3690.8 ; 2733,3474.2 2733,3482 ; 2733,3482.6 2733,3483.8 ; 2733,3485.6 2733,3545 ; 2733,3548 2733,3554.6 ; 2733,3606.8 2733,3611.6 ; 2733,3612.2 2733,3614 ; 2733,3618.2 2733,3680 ; 2733,3681.8 2733,3683.6 ; 2733,3685.4 2733,3687.8 ; 2733,3690.2 2733,3690.8 ; 2733.6,3474.2 2733.6,3482 ; 2733.6,3485.6 2733.6,3545 ; 2733.6,3548 2733.6,3554.6 ; 2733.6,3606.8 2733.6,3609.8 ; 2733.6,3610.4 2733.6,3614 ; 2733.6,3618.2 2733.6,3677 ; 2733.6,3677.6 2733.6,3679.4 ; 2733.6,3681.8 2733.6,3687.8 ; 2734.2,3474.2 2734.2,3482 ; 2734.2,3485.6 2734.2,3545 ; 2734.2,3548 2734.2,3554 ; 2734.2,3606.2 2734.2,3610.4 ; 2734.2,3611 2734.2,3613.4 ; 2734.2,3618.2 2734.2,3677 ; 2734.2,3677.6 2734.2,3679.4 ; 2734.2,3681.2 2734.2,3687.8 ; 2734.2,3689.6 2734.2,3690.2 ; 2734.8,3474.2 2734.8,3482 ; 2734.8,3485.6 2734.8,3545 ; 2734.8,3548 2734.8,3554.6 ; 2734.8,3606.2 2734.8,3613.4 ; 2734.8,3618.8 2734.8,3676.4 ; 2734.8,3677.6 2734.8,3679.4 ; 2734.8,3681.2 2734.8,3687.2 ; 2734.8,3689.6 2734.8,3690.2